# Altium PCB 🤣Jlinkv9mini.PcbDoc
Units mm, origin at the board's own origin, x right, y up, seen from the top; angles counter-clockwise.
Board outline 99.97 x 99.97 mm, 2 copper layers (Top Layer, Bottom Layer); 73 components, 92 nets, 322 pads, 141 vias.
Unrouted connection lines stored in the file: 6.
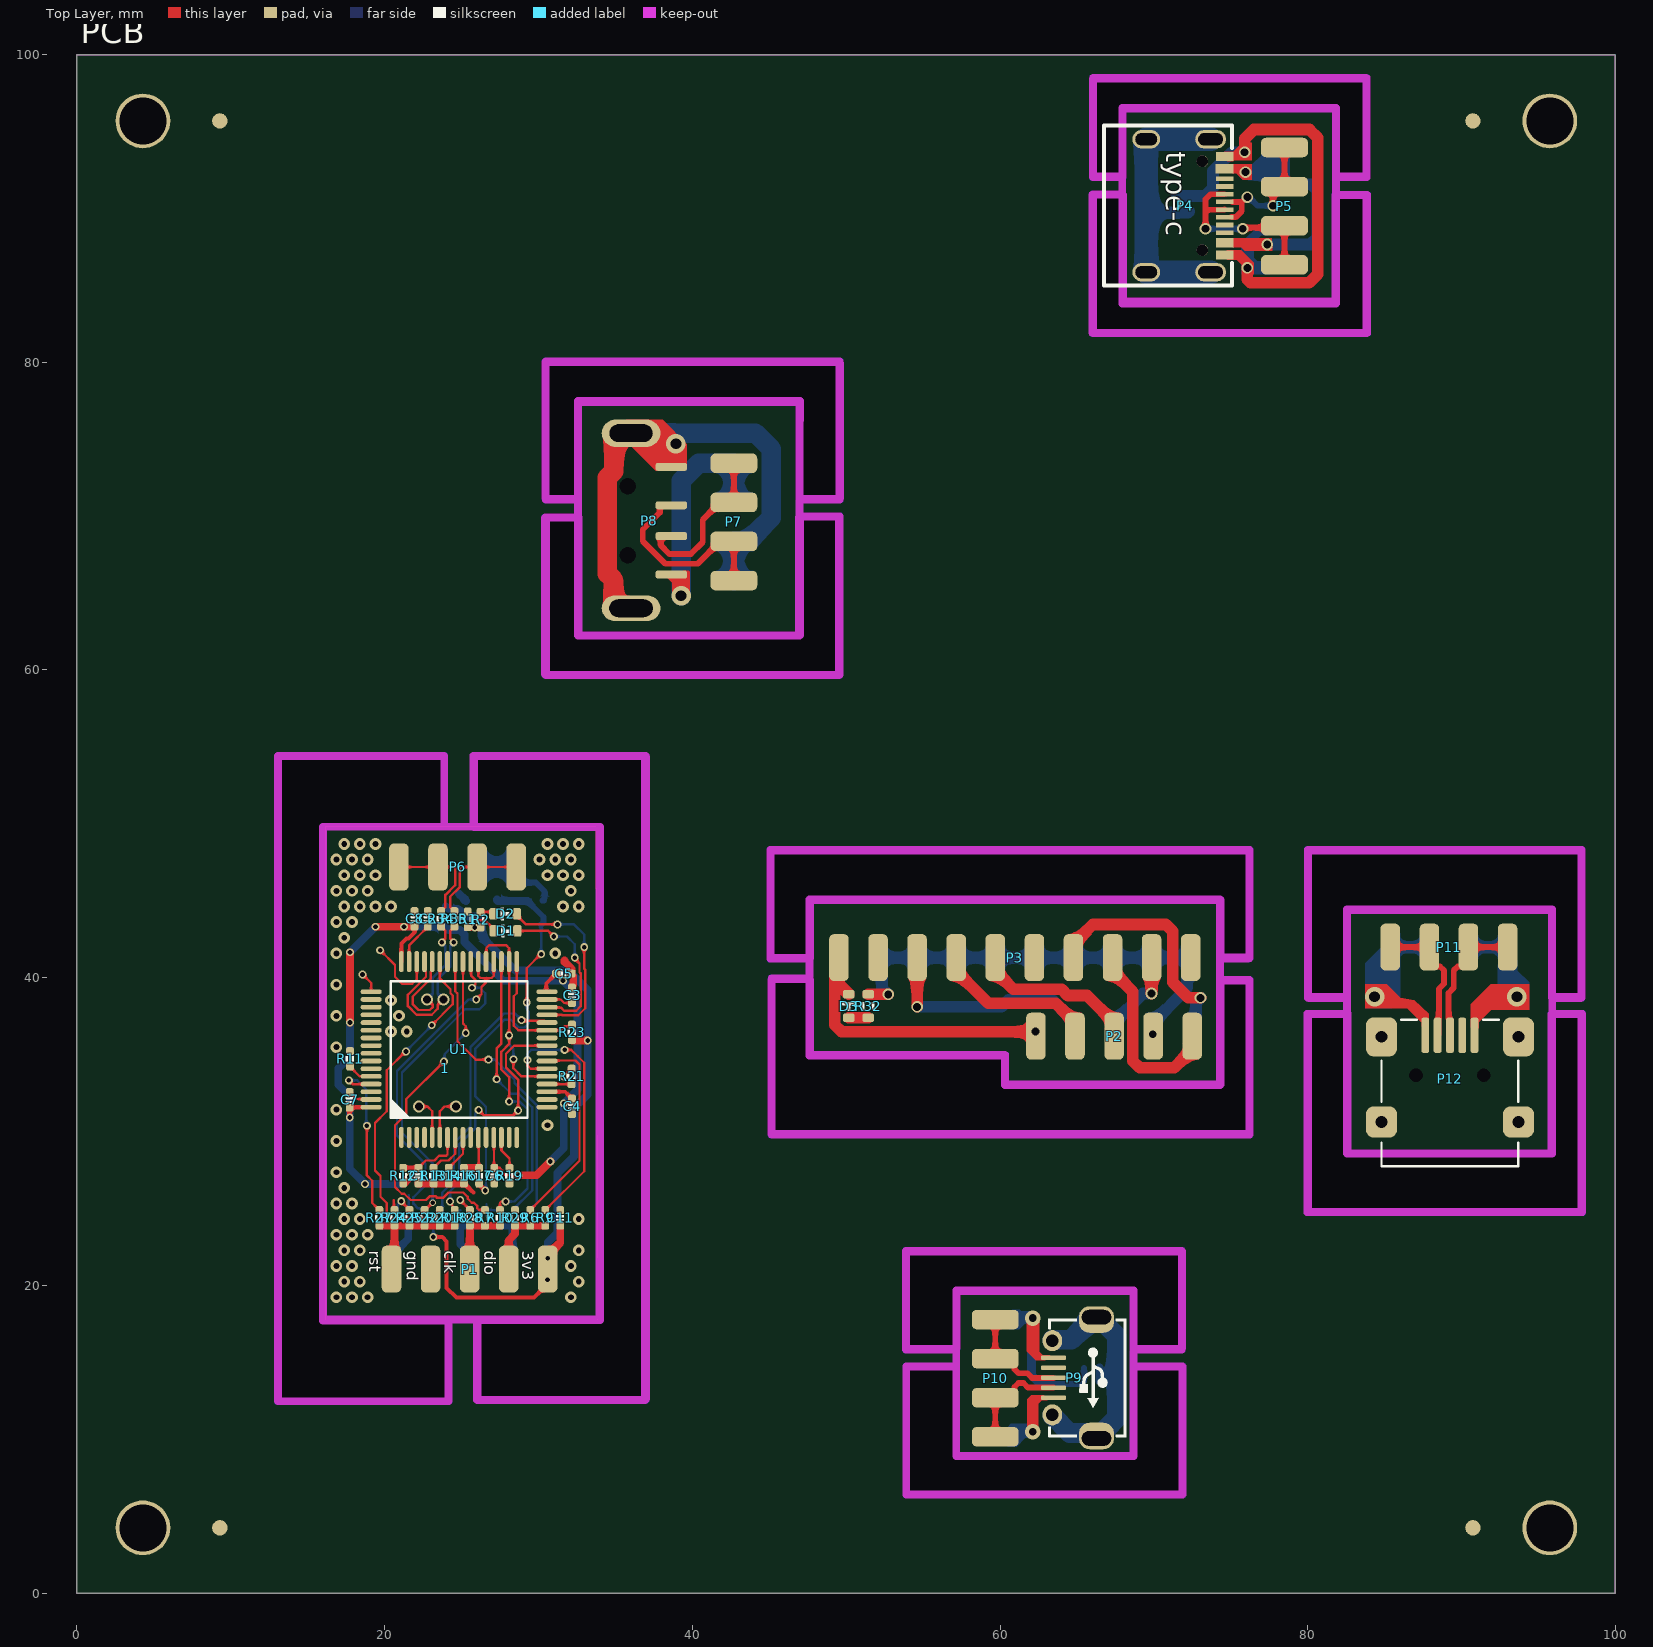
[diagram p0: Top Layer view]
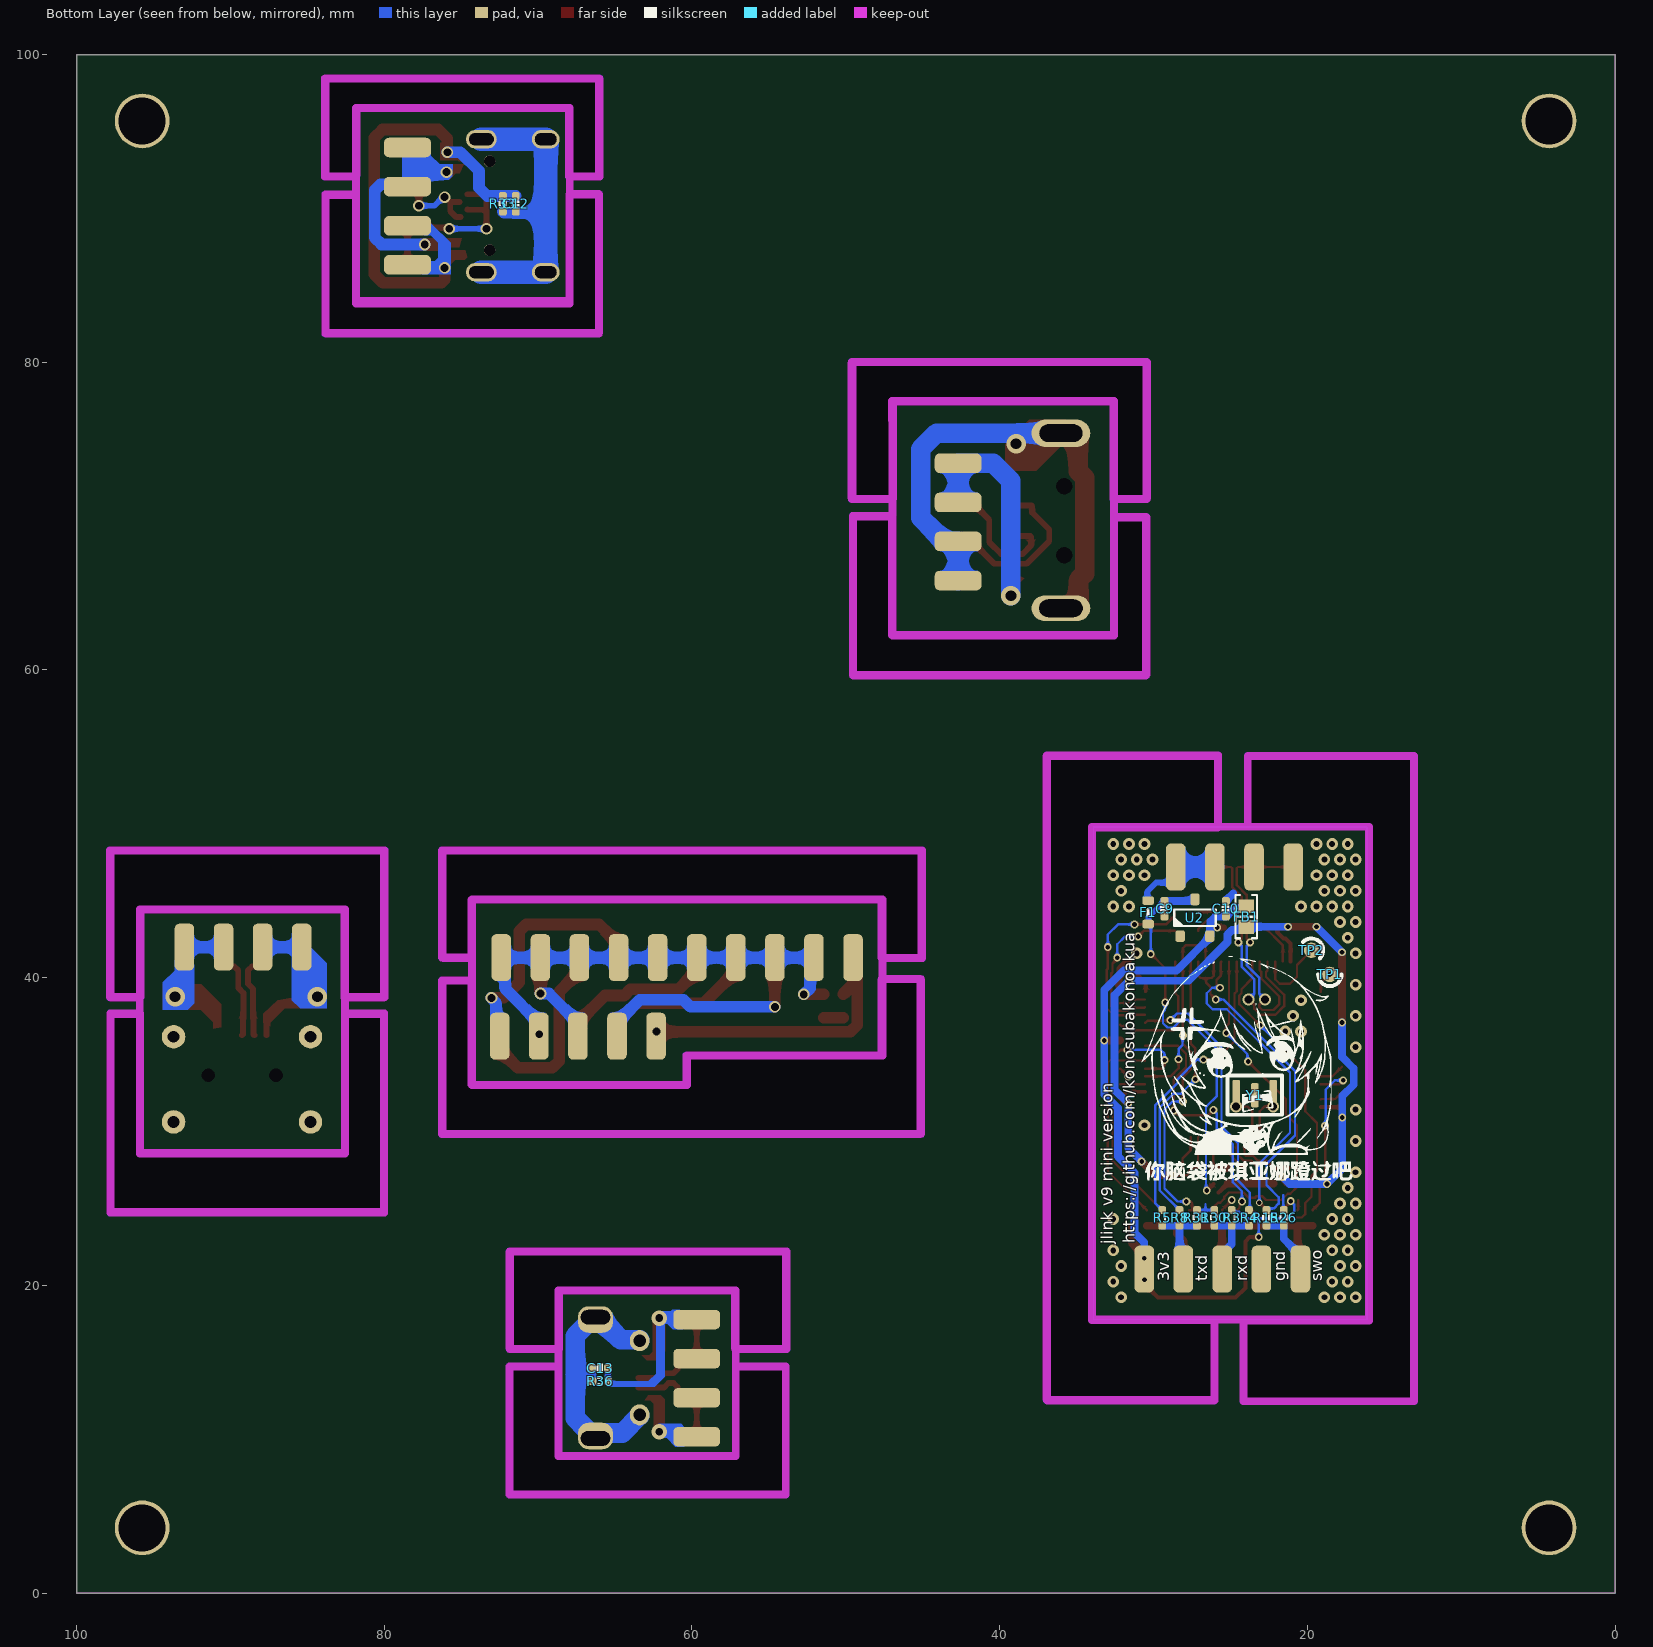
[diagram p1: Bottom Layer view, seen from below]
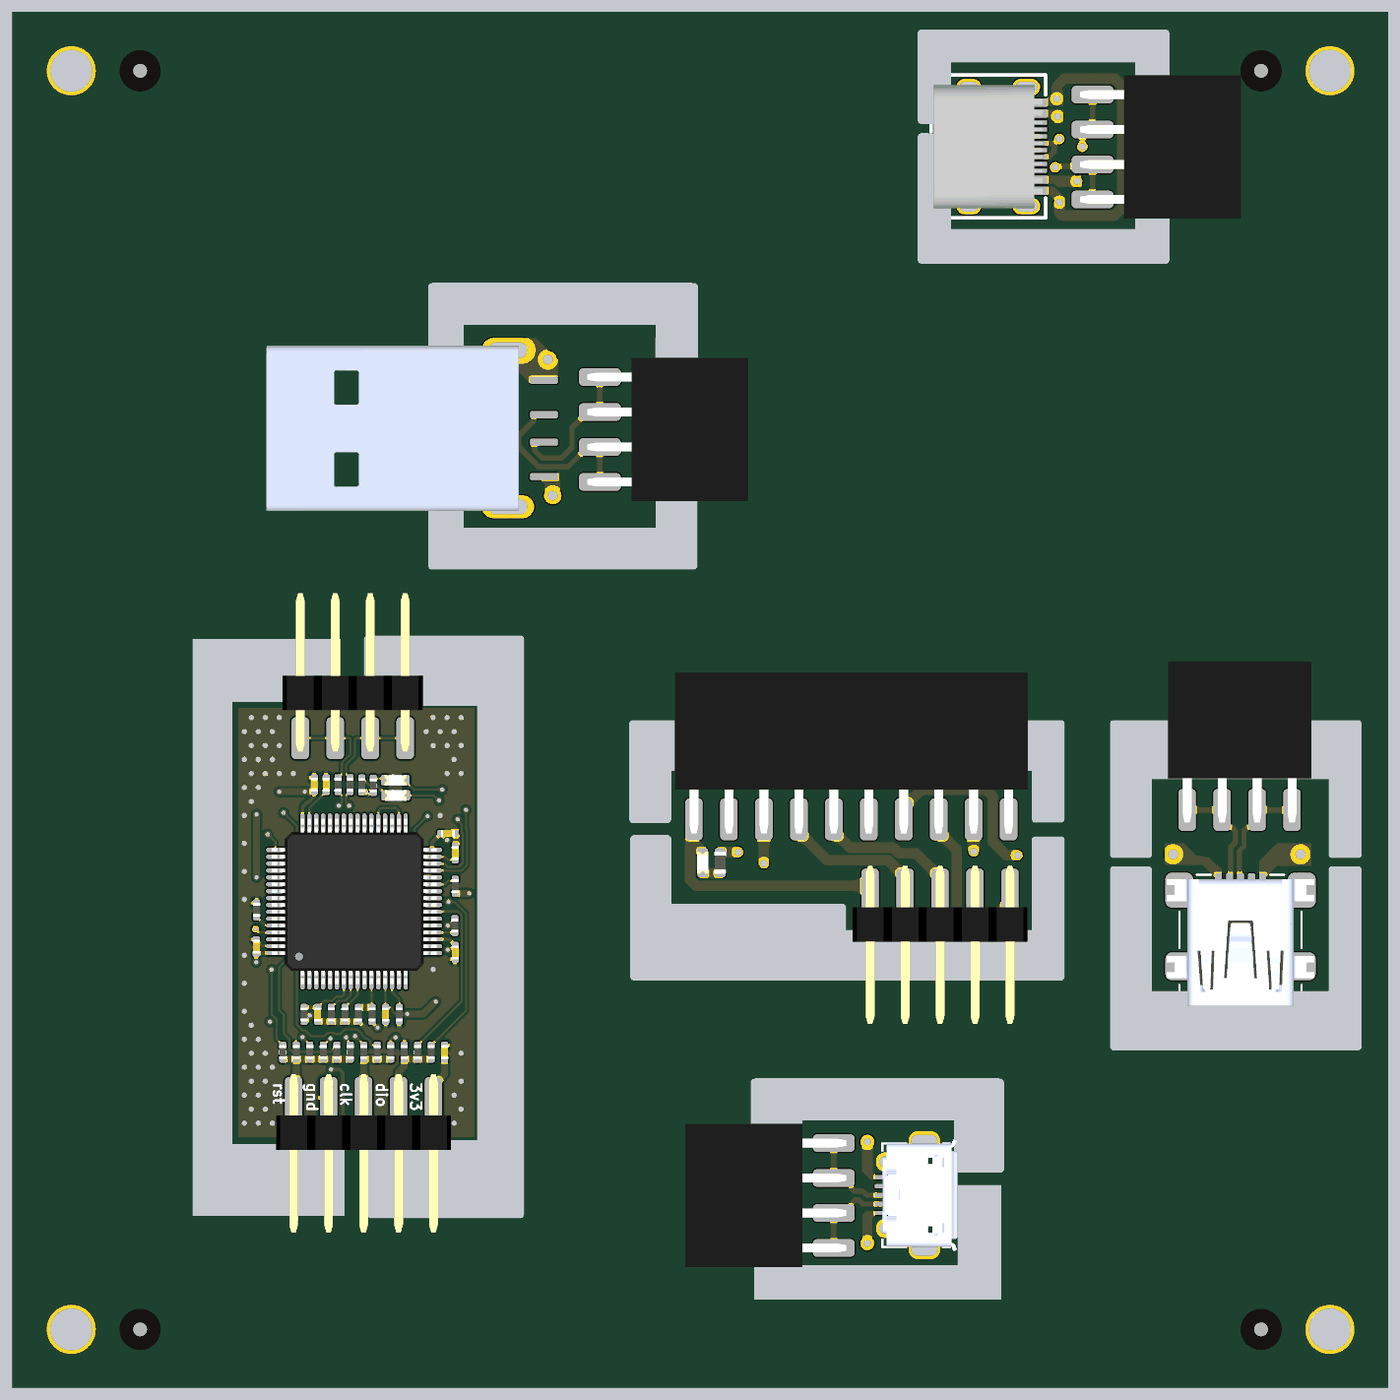
[diagram p2: 3D render of the assembled board from above, using the file's embedded part models]
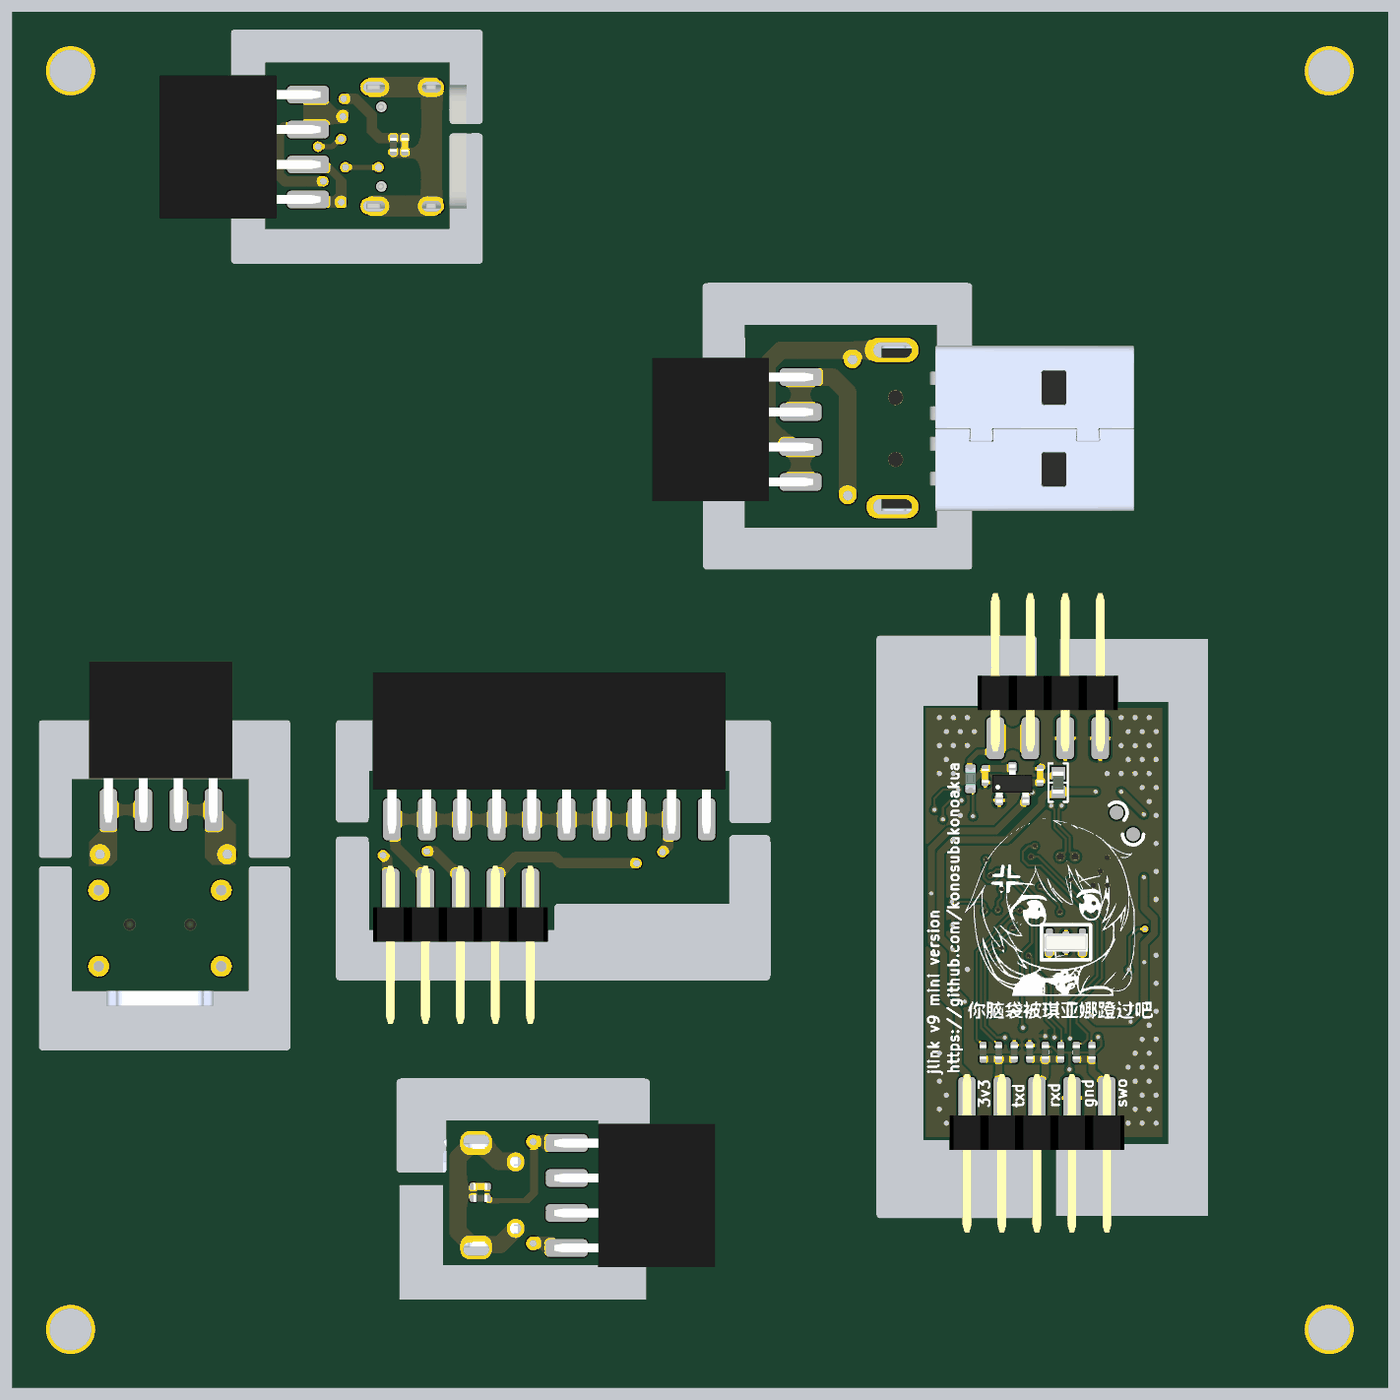
[diagram p3: 3D render of the assembled board from below, using the file's embedded part models]

## Layer stack, top to bottom
Top Solder: solder mask 0.0102, Solder Resist, Dk 3.5
Top Layer: signal copper 0.0356
Dielectric 1: dielectric 0.32, FR-4, Dk 4.8
Bottom Layer: signal copper 0.0356
Bottom Solder: solder mask 0.0102, Solder Resist, Dk 3.5

## Board outline
0,0 99.974,0 99.974,99.974 0,99.974
cut-out: 53.644,15.875 ccw(c53.899,15.875) 53.899,15.621 57.15,15.621 ccw(c57.15,15.875) 57.404,15.875 57.404,19.431 68.427,19.431 68.427,15.875 ccw(c68.682,15.875) 68.682,15.621 71.806,15.621 ccw(c71.806,15.875) 72.06,15.875 72.06,22.197 ccw(c71.806,22.197) 71.806,22.451 53.899,22.451 ccw(c53.899,22.197) 53.644,22.197
cut-out: 53.899,6.406 53.899,14.732 57.15,14.732 57.15,8.918 68.682,8.918 68.682,14.732 71.857,14.732 71.857,6.406
cut-out: 44.907,29.845 ccw(c45.161,29.845) 45.161,29.591 76.2,29.591 ccw(c76.2,29.845) 76.454,29.845 76.454,39.803 ccw(c76.2,39.803) 76.2,40.058 74.322,40.058 ccw(c74.322,39.803) 74.068,39.803 74.068,33.274 60.579,33.274 60.579,34.925 ccw(c60.325,34.925) 60.325,35.179 47.879,35.179 47.879,39.903 ccw(c47.625,39.903) 47.625,40.158 45.161,40.158 ccw(c45.161,39.903) 44.907,39.903
cut-out: 79.756,24.765 79.756,37.643 cw(c80.01,37.643) 80.01,37.897 82.55,37.897 cw(c82.55,37.643) 82.804,37.643 82.804,28.829 95.631,28.829 95.631,37.643 cw(c95.885,37.643) 95.885,37.897 97.79,37.897 cw(c97.79,37.643) 98.044,37.643 98.044,24.765 cw(c97.79,24.765) 97.79,24.511 80.01,24.511 cw(c80.01,24.765)
cut-out: 79.756,38.735 ccw(c80.01,38.735) 80.01,38.481 82.55,38.481 ccw(c82.55,38.735) 82.804,38.735 82.804,44.196 95.631,44.196 95.631,38.735 ccw(c95.885,38.735) 95.885,38.481 97.79,38.481 ccw(c97.79,38.735) 98.044,38.735 98.044,48.26 ccw(c97.79,48.26) 97.79,48.514 80.01,48.514 ccw(c80.01,48.26) 79.756,48.26
cut-out: 44.831,41.275 ccw(c45.085,41.275) 45.085,41.021 47.625,41.021 ccw(c47.625,41.275) 47.879,41.275 47.879,44.831 74.068,44.831 74.068,41.302 ccw(c74.322,41.302) 74.322,41.048 76.2,41.048 ccw(c76.2,41.302) 76.454,41.302 76.454,48.26 ccw(c76.2,48.26) 76.2,48.514 45.085,48.514 ccw(c45.085,48.26) 44.831,48.26
cut-out: 30.226,59.69 30.226,69.901 cw(c30.48,69.901) 30.48,70.155 32.563,70.155 cw(c32.563,69.901) 32.817,69.901 32.817,62.484 46.736,62.484 46.736,69.977 cw(c46.99,69.977) 46.99,70.231 49.53,70.231 cw(c49.53,69.977) 49.784,69.977 49.784,59.69 cw(c49.53,59.69) 49.53,59.436 30.48,59.436 cw(c30.48,59.69)
cut-out: 30.479,70.866 32.563,70.866 ccw(c32.563,71.12) 32.817,71.12 32.817,77.216 46.736,77.216 46.736,76.311 ccw(c46.965,76.2) 46.71,76.2 46.71,71.145 ccw(c46.965,71.145) 46.798,70.953 ccw(c46.99,71.12) 46.99,70.866 49.53,70.866 ccw(c49.53,71.12) 49.552,70.867 ccw(c49.573,71.12) 49.828,71.12 49.828,80.01 ccw(c49.573,80.01) 49.573,80.264 30.479,80.264 ccw(c30.479,80.01) 30.224,80.01 30.224,71.12 ccw(c30.479,71.12)
cut-out: 65.786,81.915 65.786,90.881 cw(c66.04,90.881) 66.04,91.136 67.945,91.136 cw(c67.945,90.881) 68.199,90.881 68.199,84.201 81.584,84.201 81.584,90.856 cw(c81.839,90.856) 81.839,91.11 83.82,91.11 cw(c83.82,90.856) 84.074,90.856 84.074,81.915 cw(c83.82,81.915) 83.82,81.661 66.04,81.661 cw(c66.04,81.915)
cut-out: 65.786,92.075 ccw(c66.04,92.075) 66.04,91.821 67.945,91.821 ccw(c67.945,92.075) 68.199,92.075 68.199,96.266 81.584,96.266 81.584,92.151 ccw(c81.839,92.151) 81.659,91.971 81.735,91.895 ccw(c81.915,92.075) 81.915,91.821 83.82,91.821 ccw(c83.82,92.075) 84.074,92.075 84.074,98.425 ccw(c83.82,98.425) 83.82,98.679 66.04,98.679 ccw(c66.04,98.425) 65.786,98.425
cut-out: 13.081,12.471 13.081,34.925 13.079,34.925 13.079,54.407 23.876,54.407 23.876,49.811 16.001,49.811 16.001,34.925 16.002,34.925 16.002,17.704 24.155,17.704 24.155,12.471
cut-out: 25.781,12.573 25.781,17.755 cw(c26.035,17.755) 26.035,18.009 33.755,18.009 33.755,49.557 25.806,49.557 cw(c25.806,49.811) 25.552,49.811 25.552,54.407 cw(c25.806,54.407) 25.806,54.661 36.932,54.661 cw(c36.932,54.407) 37.186,54.407 37.186,12.573 cw(c36.932,12.573) 36.932,12.319 26.035,12.319 cw(c26.035,12.573)

## Design rules (kind name [scope] priority, off if disabled: settings)
Clearance [All] p1: gap=0.152 ignorepadtopadclearanceinfootprint=FALSE
ComponentClearance [All] p1: gap=0 collisioncheckmode=3 verticalgap=0 showdistances=FALSE
DiffPairsRouting [All] p1: maxlimit=0.254 minlimit=0.152 mostfreqgap=0.152 toplayer_minwidth=0.152 toplayer_maxwidth=0.508 toplayer_prefwidth=0.152 bottomlayer_minwidth=0.152 bottomlayer_maxwidth=0.508 bottomlayer_prefwidth=0.152 maxuncoupledlength=12.7
PolygonConnect [All] p1: connectstyle=Relief reliefconductorwidth=0.254 reliefentries=4 polygonreliefangle="90 Angle" airgapwidth=0.254
RoutingVias [All] p1: holewidth=0.711 width=1.27 viastyle="Through Hole" minholewidth=0.711 minwidth=1.27 maxholewidth=0.711 maxwidth=1.27
SolderMaskExpansion [All] p1: expansion=0.102
Width [All] p1: maxlimit=2.54 minlimit=0.152 preferedwidth=0.254
28 further rules are at their usual default settings.

## Classes and differential pairs
component class usb_conn: C12 C13 F1 P4 P5 P6 P7 P8 P9 P10 P11 P12 R33 R34 R35 R36
component class stm32: C1 C2 C3 C4 C5 C6 C7 C8 C9 C10 C11 D1 D2 FB1 P1 PCB R1 R2 R3 R4 R5 R6 R7 R8 R9 R10 R11 R12 R13 R14 R15 R16 R17 R18 R19 R20 R21 R22 R23 R24 R25 R26 R27 R28 R29 R30 R31 TP1 TP2 U1 U2 Y1
component class Jtag_port: D3 P2 P3 R32
differential pair usb: +usb_P -usb_N
differential pair usb_mini: +usb_mini_P -usb_mini_N
differential pair usb_micro: +usb_micro_P -usb_micro_N
differential pair usb_c: +usb_c_P -usb_c_N
differential pair usb_a: +usb_a_P -usb_a_N
differential pair mcu_usb: +mcu_usb_P -mcu_usb_N

## Components (designator, comment, footprint, x,y, rotation, side; value= is the part's Value field where it differs from the comment)
1 "" IMAGE 23.934,34.099 r0 top
C1 "C0402" CAP_0402 22.196,27.129 r270 top value=0.1u
C2 "C0402" CAP_0402 22.809,43.816 r270 top value=2.2u
C3 "C0402" CAP_0402 32.182,38.847 r270 top value=2.2u
C4 "C0402" CAP_0402 32.182,31.633 r90 top value=0.1u
C5 "C0402" CAP_0402 31.648,40.26 r180 top value=0.1u
C6 "C0402" CAP_0402 27.131,27.129 r90 top value=0.1u
C7 "C0402" CAP_0402 17.729,32.056 r270 top value=0.1u
C8 "C0402" CAP_0402 21.946,43.816 r270 top value=0.1u
C9 "C0402" CAP_0402 29.286,44.477 r90 bottom value=0.1uf
C10 "C0402" CAP_0402 25.298,44.477 r270 bottom value=0.1uf
C11 "C0402" CAP_0402 31.42,24.385 r270 top value=0.1uf
C12 "C0402" CAP_0402 71.45,90.297 r90 bottom value=0.1u
C13 "C0402" CAP_0402 65.964,14.63 r180 bottom value=0.1u
D1 "color?" LED_0603 27.864,43.041 r0 top
D2 "color?" LED_0603 27.838,44.147 r0 top
D3 "color?" LED_0603 50.165,38.152 r270 top
F1 "500mA" PPTC_0603 30.35,44.248 r270 bottom
FB1 "Fer" "FER 0603/1608" 23.978,43.969 r90 bottom
P1 "HDR2x5_2.54" HDR2X5_2.54_180H 30.607,21.058 r270 top
P2 "HDR2x5_2.54" HDR2X5_2.54_180H 72.49,36.196 r270 top
P3 "HDR2x10_2.54" HDR2X10_2.54_180HF 49.53,41.302 r90 top
P4 "TypeC" USB_TypeC 72.05,90.17 r270 top
P5 "HDR2x4_2.54" HDR2X4_2.54_180HF 78.486,93.955 r0 top
P6 "HDR2x4_2.54" HDR2X4_2.54_180H 20.93,47.195 r90 top
P7 "HDR2x4_2.54" HDR2X4_2.54_180HF 42.697,73.431 r0 top
P8 "USB_Plug_TypeA" USB_Plug_TypeA 33.096,69.698 r180 top
P9 "MicroUSB" USB_Micro-AB 66.015,13.995 r270 top
P10 "HDR2x4_2.54" HDR2X4_2.54_180HF 59.69,10.16 r180 top
P11 "HDR2x4_2.54" HDR2X4_2.54_180HF 85.364,41.986 r90 top
P12 "MiniUSB" USB_Mini-B 89.24,36.255 r180 top
PCB "PCB_100x100" PCB_100x100 50.013,49.962 r0 top locked
R1 "220r" RES_0402 25.4,43.791 r270 top
R2 "220r" RES_0402 26.238,43.766 r270 top
R3 "220r" RES_0402 24.92,24.385 r90 bottom
R4 "220r" RES_0402 23.791,24.385 r270 bottom
R5 "220r" RES_0402 29.439,24.385 r270 bottom
R6 "220r" RES_0402 29.46,24.385 r270 top
R7 "220r" RES_0402 26.52,24.385 r270 top
R8 "220r" RES_0402 28.309,24.385 r270 bottom
R9 "220r" RES_0402 30.44,24.385 r270 top
R10 "220r" RES_0402 27.5,24.385 r270 top
R11 "10k" RES_0402 17.755,34.723 r90 top
R12 "10k" RES_0402 21.209,27.129 r270 top
R13 "10k" RES_0402 23.183,27.129 r90 top
R14 "10k" RES_0402 24.17,27.129 r90 top
R15 "220r" RES_0402 22.661,24.385 r270 bottom
R16 "10k" RES_0402 25.157,27.129 r90 top
R17 "10k" RES_0402 26.144,27.129 r270 top
R18 "220r" RES_0402 24.56,24.385 r270 top
R19 "10k" RES_0402 28.118,27.129 r90 top
R20 "220r" RES_0402 23.58,24.385 r270 top
R21 "10k" RES_0402 32.156,33.58 r270 top
R22 "220r" RES_0402 22.6,24.385 r270 top
R23 "10k" RES_0402 32.182,36.442 r90 top
R24 "220k" RES_0402 20.64,24.385 r270 top
R25 "10k" RES_0402 21.62,24.385 r270 top
R26 "220k" RES_0402 21.532,24.385 r270 bottom
R27 "10k" RES_0402 19.66,24.385 r270 top
R28 "220k" RES_0402 25.54,24.385 r270 top
R29 "220k" RES_0402 28.48,24.385 r270 top
R30 "220k" RES_0402 26.05,24.385 r270 bottom
R31 "220k" RES_0402 27.179,24.385 r270 bottom
R32 "1k" RES_0603 51.435,38.152 r90 top
R33 "1M" RES_0402 72.288,90.297 r90 bottom
R34 "22r" RES_0402 23.673,43.817 r90 top
R35 "22r" RES_0402 24.536,43.816 r90 top
R36 "1M" RES_0402 65.964,13.767 r180 bottom
TP1 "CLK" "TP Circle" 18.542,40.21 r180 bottom
TP2 "DIO" "TP Circle" 19.736,41.784 r45 bottom
U1 "STM32F205RET6" _LQFP_P0.5_64 24.841,35.333 r90 top
U2 "XC6206P332MR" _SOT23-3 27.305,43.893 r90 bottom
Y1 "12MHz" "MURATA CSTCE" 23.419,32.361 r0 bottom
